# Altium PCB MC3.PcbDoc (part 2 of 4) (continued)
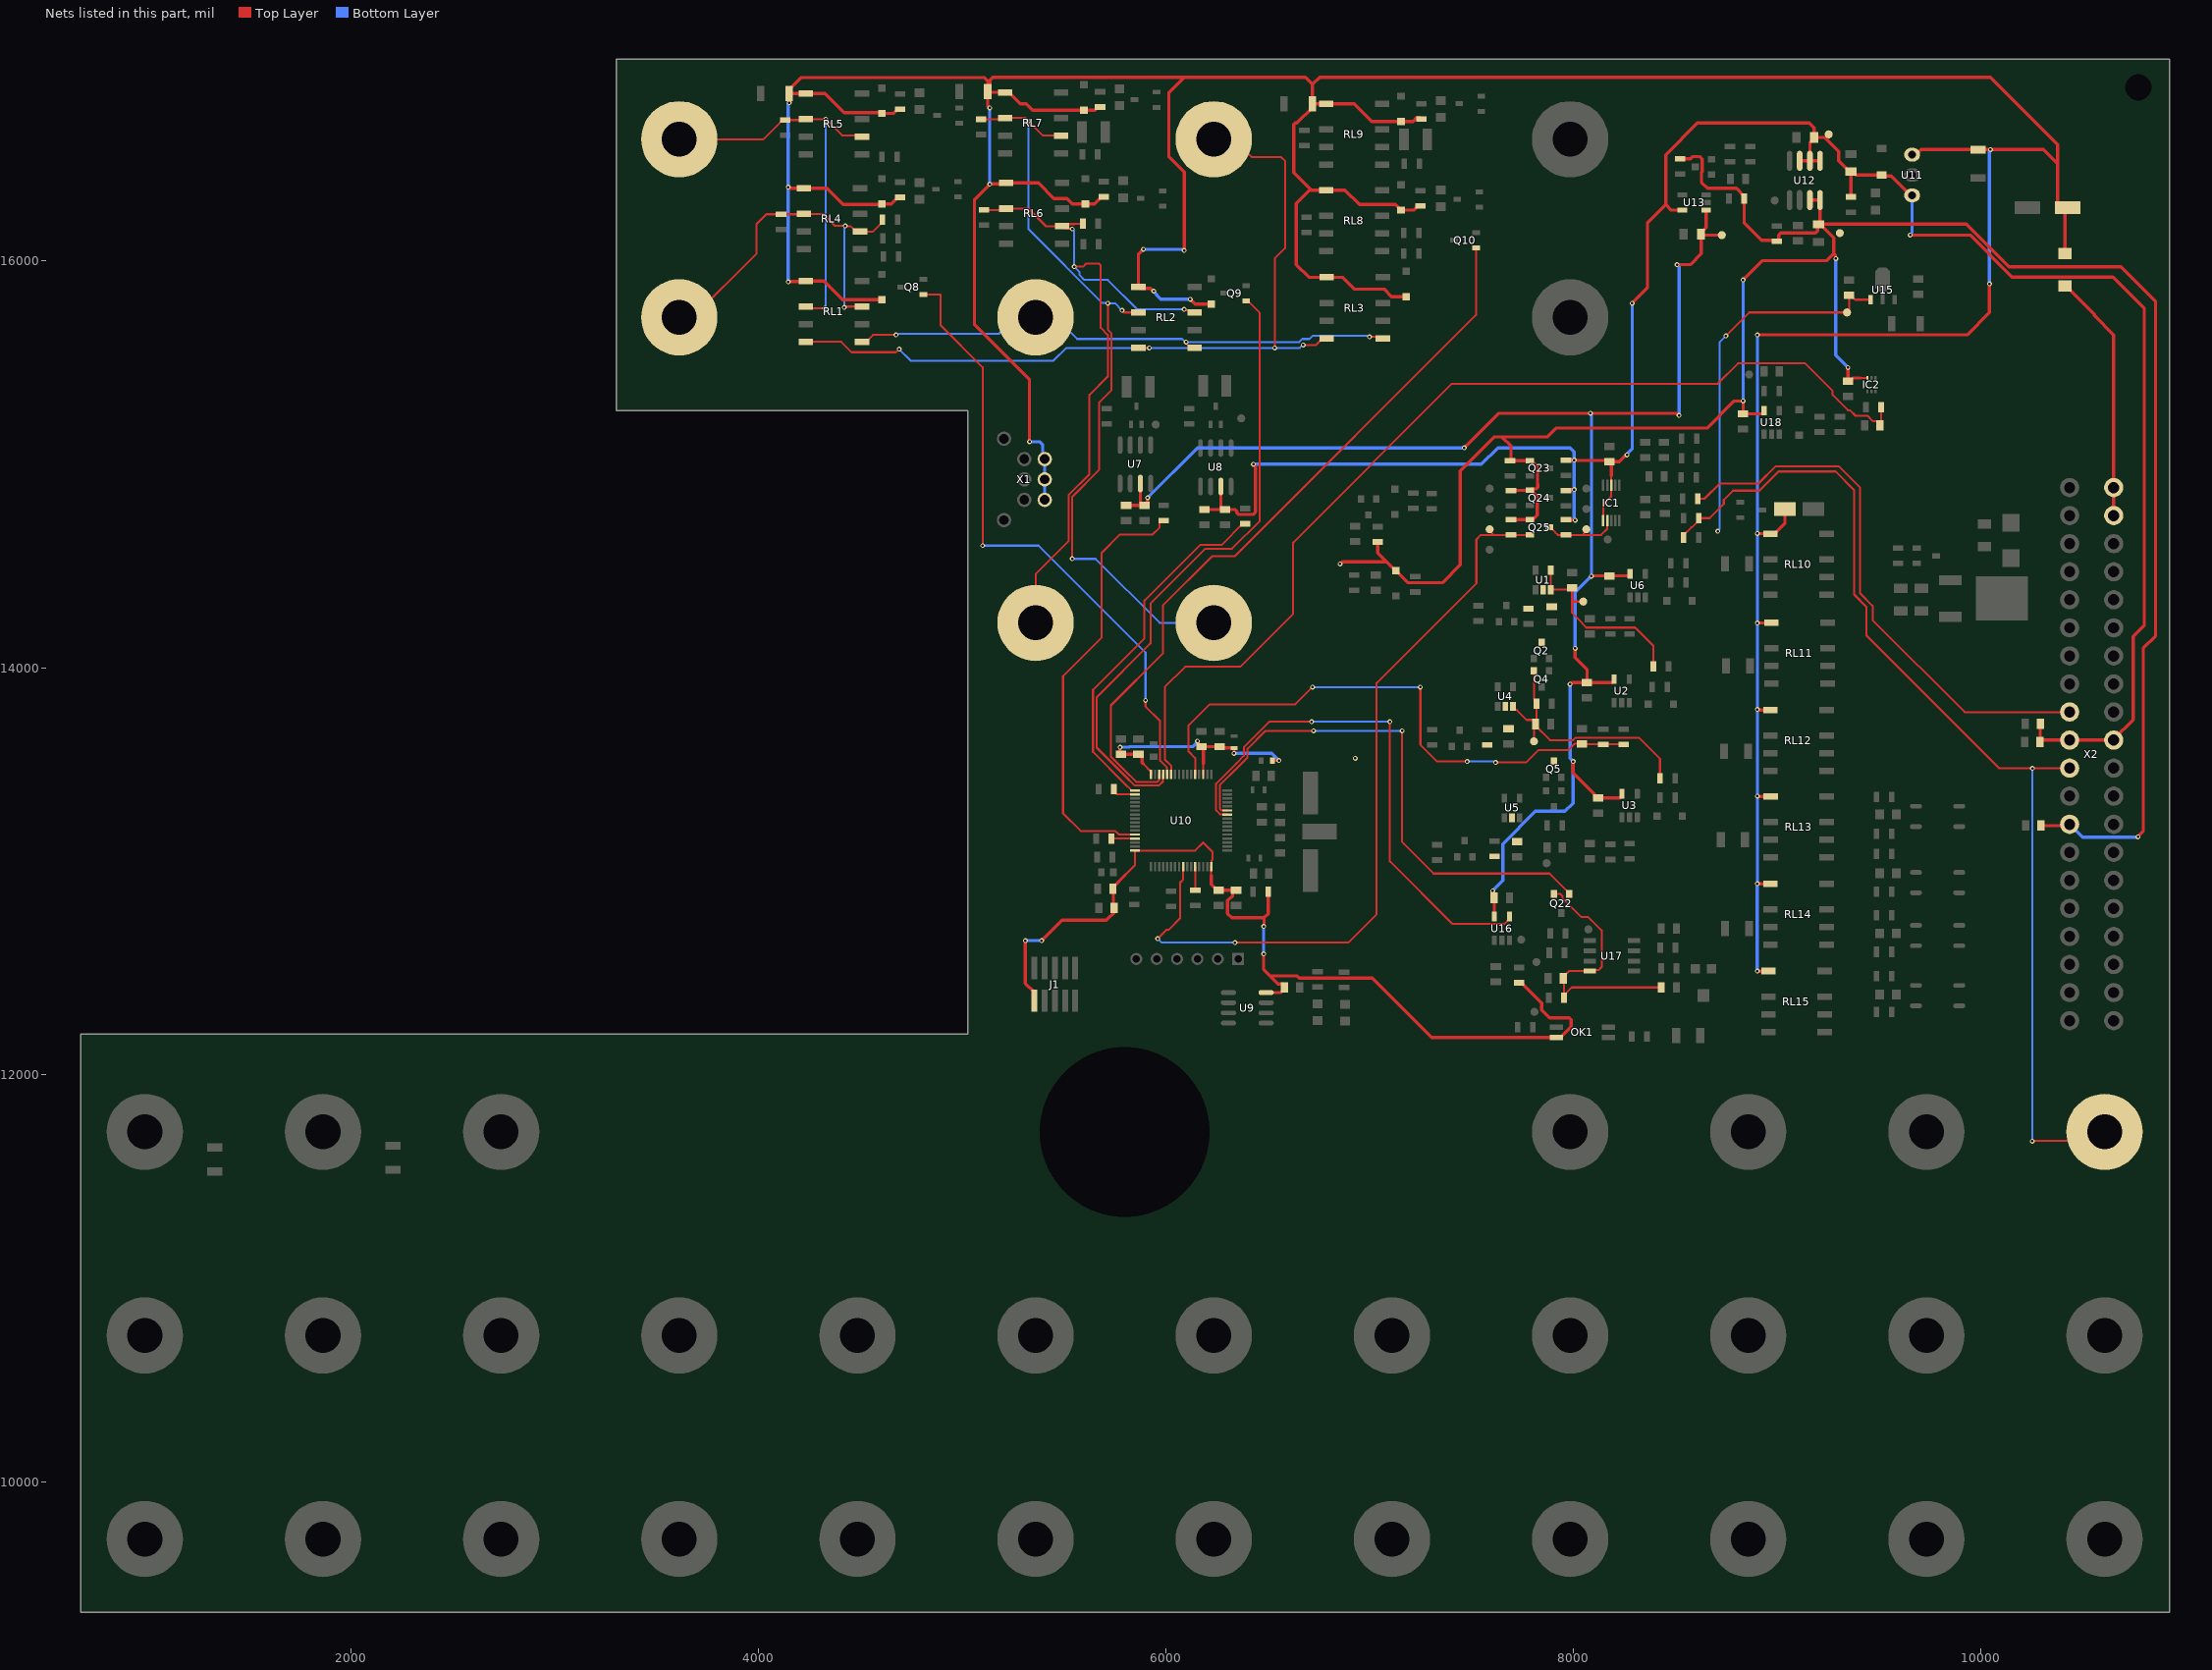
[diagram p2: the nets of this part, all layers, seen from the top]
## Part data (continued)
R6 R11 R22: library part CRCW08053K24FKEA, "VISHAY DRALORIC 	   	CRCW08053K24FKEA 	   	RES, THICK FILM, 3K24, 1%, 125MW, 0805", Case Code (Imperial)=0805, Case Code (Metric)=2012, Manufacturer=Vishay, Max Operating Temperature=155°C, Max Power Dissipation=125mW, Min Operating Temperature=-55°C, Package Quantity=10, Resistance=3.24kR, Supplier Part Number 1=71-CRCW0805-3.24K-E3, Temperature Coefficient=100ppm/°C, Tolerance=1%, Voltage Rating=150V, Case/Package=0805, Category="Chip SMD Resistors", ComponentLink1Description=https://datasheet.ciiva.com/9080/dcrcwe3-9080725.pdf?src-supplier=Avnet, ComponentLink1URL=https://datasheet.ciiva.com/9080/dcrcwe3-9080725.pdf?src-supplier=Avnet, ComponentLink2Description=https://datasheet.ciiva.com/16783/70201119-16783896.pdf?src-supplier=Allied+Electronics, ComponentLink2URL=https://datasheet.ciiva.com/16783/70201119-16783896.pdf?src-supplier=Allied+Electronics, ComponentLink3Description=https://datasheet.ciiva.com/2496/dcrcwe3-2496042.pdf?src-supplier=Digi-Key, ComponentLink3URL=https://datasheet.ciiva.com/2496/dcrcwe3-2496042.pdf?src-supplier=Digi-Key, ComponentLink4Description=https://datasheet.ciiva.com/7670/1533075-7670379.pdf?src-supplier=Element14, ComponentLink4URL=https://datasheet.ciiva.com/7670/1533075-7670379.pdf?src-supplier=Element14, ComponentLink5Description=https://datasheet.ciiva.com/7670/1697337-7670300.pdf?src-supplier=Element14, ComponentLink5URL=https://datasheet.ciiva.com/7670/1697337-7670300.pdf?src-supplier=Element14, ComponentLink6Description=https://datasheet.ciiva.com/2496/dcrcwe3-2496040.pdf?src-supplier=Digi-Key, ComponentLink6URL=https://datasheet.ciiva.com/2496/dcrcwe3-2496040.pdf?src-supplier=Digi-Key, ComponentLink7Description=https://datasheet.ciiva.com/2496/dcrcwe3-2496041.pdf?src-supplier=Digi-Key, ComponentLink7URL=https://datasheet.ciiva.com/2496/dcrcwe3-2496041.pdf?src-supplier=Digi-Key, Composition="Thick Film", Contact Plating=Tin, Depth=1.25mm, Features="Automotive AEC-Q200", Height=0.02inch, Lead Free="Lead Free", Length=2mm, Manufacturer Part Number=CRCW08053K24FKEA, Military Standard=Not, Number of Pins=2, Number of Terminations=2, Packaging="Tape and Reel", Power Rating=125mW, Pricing 1="1=0.10000, 10=0.06200, 100=0.02500, 1000=0.01000, 5000=0.00700, 10000=0.00600 (USD)", Radiation Hardening=No, REACH SVHC=Unknown, RoHS=Yes, Stock 1=18434, Supplier 1=Mouser, Termination=Solder, Voltage Rating (DC)=150V, Weight=0.000194oz, Width=1.25mm
R7 R64 R66 R68 R70: library part ERJ6ENF6800V, "680 ohm, 125 mW,  1%, 150 V,PANASONIC ELECTRONIC COMPONENTS         ERJ6ENF6800V            Surface Mount Chip Resistor, Thick Film, AEC-Q200 ERJ6E Series,", Case Code (Imperial)=0805, Case Code (Metric)=2012, Manufacturer=Panasonic, Max Operating Temperature=155°C, Max Power Dissipation=125mW, Min Operating Temperature=-55°C, Package Quantity=1, Resistance=680R, Supplier Part Number 1=667-ERJ-6ENF6800V, Temperature Coefficient=100ppm/°C, Tolerance=1%, Voltage Rating=150V, Case/Package=0805, Category="Chip SMD Resistors", ComponentLink1Description=https://datasheet.ciiva.com/11821/0900766b80f80784-11821688.pdf?src-supplier=RSComponents, ComponentLink1URL=https://datasheet.ciiva.com/11821/0900766b80f80784-11821688.pdf?src-supplier=RSComponents, ComponentLink2Description=https://datasheet.ciiva.com/16787/70260748-16787589.pdf?src-supplier=Allied+Electronics, ComponentLink2URL=https://datasheet.ciiva.com/16787/70260748-16787589.pdf?src-supplier=Allied+Electronics, ComponentLink3Description=https://datasheet.ciiva.com/9180/aoa0000ce2-9180429.pdf?src-supplier=Avnet, ComponentLink3URL=https://datasheet.ciiva.com/9180/aoa0000ce2-9180429.pdf?src-supplier=Avnet, ComponentLink4Description=https://datasheet.ciiva.com/7944/426256-7944661.pdf?src-supplier=Element14, ComponentLink4URL=https://datasheet.ciiva.com/7944/426256-7944661.pdf?src-supplier=Element14, ComponentLink5Description=https://datasheet.ciiva.com/16512/aoa0000ce2-16512058.pdf?src-supplier=Avnet+Asia, ComponentLink5URL=https://datasheet.ciiva.com/16512/aoa0000ce2-16512058.pdf?src-supplier=Avnet+Asia, ComponentLink6Description=https://datasheet.ciiva.com/16757/70260748-16757933.pdf?src-supplier=Allied+Electronics, ComponentLink6URL=https://datasheet.ciiva.com/16757/70260748-16757933.pdf?src-supplier=Allied+Electronics, ComponentLink7Description=https://datasheet.ciiva.com/30107/aoa0000ce2-30107005.pdf?src-supplier=Onlinecomponents.com, ComponentLink7URL=https://datasheet.ciiva.com/30107/aoa0000ce2-30107005.pdf?src-supplier=Onlinecomponents.com, ComponentLink8Description=https://datasheet.ciiva.com/46373/1678782-46373887.pdf?src-supplier=Element14, ComponentLink8URL=https://datasheet.ciiva.com/46373/1678782-46373887.pdf?src-supplier=Element14, ComponentLink9Description=https://datasheet.ciiva.com/17205/aoa0000ce2-17205287.pdf?src-supplier=Avnet+Europe, ComponentLink9URL=https://datasheet.ciiva.com/17205/aoa0000ce2-17205287.pdf?src-supplier=Avnet+Europe, ComponentLink10Description=https://datasheet.ciiva.com/7944/426256-7944953.pdf?src-supplier=Element14, ComponentLink10URL=https://datasheet.ciiva.com/7944/426256-7944953.pdf?src-supplier=Element14, ComponentLink11Description=https://datasheet.ciiva.com/5860/426256-5860698.pdf?src-supplier=Farnell, ComponentLink11URL=https://datasheet.ciiva.com/5860/426256-5860698.pdf?src-supplier=Farnell, ComponentLink12Description=https://datasheet.ciiva.com/46373/1678782-46373886.pdf?src-supplier=Element14, ComponentLink12URL=https://datasheet.ciiva.com/46373/1678782-46373886.pdf?src-supplier=Element14, Composition="Thick Film", Contact Plating=Tin, Depth=1.25mm, Features="Automotive AEC-Q200", Height=0.6mm, Length=2mm, Manufacturer Part Number=ERJ6ENF6800V, Military Standard=Not, Mount="Surface Mount", Number of Pins=2, Number of Terminations=2, Packaging="Tape and Reel", Power Rating=125mW, Pricing 1="1=0.11000, 10=0.07200, 100=0.02800, 1000=0.01900, 5000=0.01700, 10000=0.01500 (USD)", Radiation Hardening=No, REACH SVHC="No SVHC", RoHS=Yes, Stock 1=59996, Supplier 1=Mouser, Termination=SMD/SMT, Width=0.049inch
R13 R18: library part ERJ-6ENF39R0V, "Res 39 Ohms;  Pwr-Rtg0.125 W;  Tol 1%;  SMT;  0805;  Tape & Reel", Case Code (Imperial)=0805, Case Code (Metric)=2012, Manufacturer=Panasonic, Max Operating Temperature=155°C, Max Power Dissipation=125mW, Min Operating Temperature=-55°C, Package Quantity=1, Resistance=39R, Supplier Part Number 1=667-ERJ-6ENF39R0V, Temperature Coefficient=100ppm/°C, Tolerance=1%, Voltage Rating=150V, Case/Package=0805, Category="Chip SMD Resistors", ComponentLink1Description=https://datasheet.ciiva.com/24038/aoa0000ce2-24038777.pdf?src-supplier=Mouser, ComponentLink1URL=https://datasheet.ciiva.com/24038/aoa0000ce2-24038777.pdf?src-supplier=Mouser, ComponentLink2Description=https://datasheet.ciiva.com/7836/426256-7836826.pdf?src-supplier=Element14, ComponentLink2URL=https://datasheet.ciiva.com/7836/426256-7836826.pdf?src-supplier=Element14, ComponentLink3Description=https://datasheet.ciiva.com/9190/aoa0000ce2-9190012.pdf?src-supplier=Avnet, ComponentLink3URL=https://datasheet.ciiva.com/9190/aoa0000ce2-9190012.pdf?src-supplier=Avnet, ComponentLink4Description=https://datasheet.ciiva.com/22682/1678782-22682204.pdf?src-supplier=Element14, ComponentLink4URL=https://datasheet.ciiva.com/22682/1678782-22682204.pdf?src-supplier=Element14, ComponentLink5Description=https://datasheet.ciiva.com/7836/426256-7836541.pdf?src-supplier=Element14, ComponentLink5URL=https://datasheet.ciiva.com/7836/426256-7836541.pdf?src-supplier=Element14, ComponentLink6Description=https://datasheet.ciiva.com/16511/aoa0000ce2-16511949.pdf?src-supplier=Avnet+Asia, ComponentLink6URL=https://datasheet.ciiva.com/16511/aoa0000ce2-16511949.pdf?src-supplier=Avnet+Asia, ComponentLink7Description=https://datasheet.ciiva.com/16761/70260748-16761757.pdf?src-supplier=Allied+Electronics, ComponentLink7URL=https://datasheet.ciiva.com/16761/70260748-16761757.pdf?src-supplier=Allied+Electronics, ComponentLink8Description=https://datasheet.ciiva.com/5915/426256-5915343.pdf?src-supplier=Farnell, ComponentLink8URL=https://datasheet.ciiva.com/5915/426256-5915343.pdf?src-supplier=Farnell, ComponentLink9Description=https://datasheet.ciiva.com/16777/70260748-16777327.pdf?src-supplier=Allied+Electronics, ComponentLink9URL=https://datasheet.ciiva.com/16777/70260748-16777327.pdf?src-supplier=Allied+Electronics, ComponentLink10Description=https://datasheet.ciiva.com/22687/1678782-22687439.pdf?src-supplier=Element14, ComponentLink10URL=https://datasheet.ciiva.com/22687/1678782-22687439.pdf?src-supplier=Element14, ComponentLink11Description=https://datasheet.ciiva.com/30064/aoa0000ce2-30064223.pdf?src-supplier=Onlinecomponents.com, ComponentLink11URL=https://datasheet.ciiva.com/30064/aoa0000ce2-30064223.pdf?src-supplier=Onlinecomponents.com, Composition="Thick Film", Contact Plating=Tin, Depth=1.25mm, Features="Automotive AEC-Q200", Height=0.6mm, Length=2mm, Manufacturer Part Number=ERJ-6ENF39R0V, Military Standard=Not, Mount="Surface Mount", Number of Pins=2, Number of Terminations=2, Packaging="Tape and Reel", Power Rating=125mW, Pricing 1="1=0.11000, 10=0.08900, 100=0.03500, 1000=0.02200, 5000=0.02200, 10000=0.02200 (USD)", Radiation Hardening=No, REACH SVHC="No SVHC", RoHS=Yes, Stock 1=48084, Supplier 1=Mouser, Termination=Solder, Voltage Rating (DC)=150V, Width=0.049inch
R15 R82 R91 R104 R105 R106: library part AC0805FR-072K7L, "RES SMD 2.7K OHM 1% 1/8W 0805", Case Code (Imperial)=0805, Case Code (Metric)=2012, Manufacturer=Yageo, Max Operating Temperature=155°C, Max Power Dissipation=125mW, Min Operating Temperature=-55°C, Resistance=2.7kR, Supplier Part Number 1=603-AC0805FR-072K7L, Temperature Coefficient=100ppm/°C, Tolerance=1%, Voltage Rating=150V, Case/Package=0805, Category="Chip SMD Resistors", ComponentLink1Description=https://datasheet.ciiva.com/12656/pyu-ac-51-rohs-l-2-12656732.pdf?src-supplier=Mouser, ComponentLink1URL=https://datasheet.ciiva.com/12656/pyu-ac-51-rohs-l-2-12656732.pdf?src-supplier=Mouser, Composition="Thick Film", Features="Moisture Resistant,Automotive AEC-Q200", Height=0.024inch, Lead Free="Lead Free", Length=0.079inch, Manufacturer Part Number=AC0805FR-072K7L, Number of Terminations=2, Packaging="Tape and Reel", Power Rating=125mW, Pricing 1="1=0.16000, 10=0.03700, 100=0.01300, 1000=0.01000, 5000=0.00600, 10000=0.00600 (USD)", RoHS=Yes, Stock 1=3900, Supplier 1=Mouser, Termination=SMD/SMT, Width=0.049inch
R21 R103: library part ERJ-6ENF1004V, "Res Thick Film 0805 1M Ohm 1% 1/8W 100ppm/C Molded SMD Punched Carrier T/R", Case Code (Imperial)=0805, Case Code (Metric)=2012, Manufacturer=Panasonic, Max Operating Temperature=155°C, Max Power Dissipation=125mW, Min Operating Temperature=-55°C, Package Quantity=1, Resistance=1MR, Supplier Part Number 1=667-ERJ-6ENF1004V, Temperature Coefficient=100ppm/°C, Tolerance=1%, Voltage Rating=150V, Case/Package=0805, Category="Chip SMD Resistors", ComponentLink1Description=https://datasheet.ciiva.com/11821/0900766b80f80784-11821573.pdf?src-supplier=RSComponents, ComponentLink1URL=https://datasheet.ciiva.com/11821/0900766b80f80784-11821573.pdf?src-supplier=RSComponents, ComponentLink2Description=https://datasheet.ciiva.com/16761/70260748-16761141.pdf?src-supplier=Allied+Electronics, ComponentLink2URL=https://datasheet.ciiva.com/16761/70260748-16761141.pdf?src-supplier=Allied+Electronics, ComponentLink3Description=https://datasheet.ciiva.com/22749/426256-22749637.pdf?src-supplier=Element14, ComponentLink3URL=https://datasheet.ciiva.com/22749/426256-22749637.pdf?src-supplier=Element14, ComponentLink4Description=https://datasheet.ciiva.com/30161/aoa0000ce2-30161525.pdf?src-supplier=Onlinecomponents.com, ComponentLink4URL=https://datasheet.ciiva.com/30161/aoa0000ce2-30161525.pdf?src-supplier=Onlinecomponents.com, ComponentLink5Description=https://datasheet.ciiva.com/48532/aoa0000ce2-48532149.pdf?src-supplier=Avnet, ComponentLink5URL=https://datasheet.ciiva.com/48532/aoa0000ce2-48532149.pdf?src-supplier=Avnet, ComponentLink6Description=https://datasheet.ciiva.com/8079/426256-8079622.pdf?src-supplier=Element14, ComponentLink6URL=https://datasheet.ciiva.com/8079/426256-8079622.pdf?src-supplier=Element14, ComponentLink7Description=https://datasheet.ciiva.com/27055/1988997-27055735.pdf?src-supplier=Jameco, ComponentLink7URL=https://datasheet.ciiva.com/27055/1988997-27055735.pdf?src-supplier=Jameco, ComponentLink8Description=https://datasheet.ciiva.com/5868/426256-5868184.pdf?src-supplier=Farnell, ComponentLink8URL=https://datasheet.ciiva.com/5868/426256-5868184.pdf?src-supplier=Farnell, ComponentLink9Description=https://datasheet.ciiva.com/46420/1678782-46420186.pdf?src-supplier=Element14, ComponentLink9URL=https://datasheet.ciiva.com/46420/1678782-46420186.pdf?src-supplier=Element14, ComponentLink10Description=https://datasheet.ciiva.com/16788/70260748-16788299.pdf?src-supplier=Allied+Electronics, ComponentLink10URL=https://datasheet.ciiva.com/16788/70260748-16788299.pdf?src-supplier=Allied+Electronics, ComponentLink11Description=https://datasheet.ciiva.com/7909/426256-7909229.pdf?src-supplier=Element14, ComponentLink11URL=https://datasheet.ciiva.com/7909/426256-7909229.pdf?src-supplier=Element14, ComponentLink12Description=https://datasheet.ciiva.com/15158/getdatasheetpartid-246555-15158845.pdf?src-supplier=Verical, ComponentLink12URL=https://datasheet.ciiva.com/15158/getdatasheetpartid-246555-15158845.pdf?src-supplier=Verical, ComponentLink13Description=https://datasheet.ciiva.com/16449/aoa0000ce2-16449407.pdf?src-supplier=Future+Electronics, ComponentLink13URL=https://datasheet.ciiva.com/16449/aoa0000ce2-16449407.pdf?src-supplier=Future+Electronics, ComponentLink14Description=https://datasheet.ciiva.com/17215/aoa0000ce2-17215247.pdf?src-supplier=Avnet+Europe, ComponentLink14URL=https://datasheet.ciiva.com/17215/aoa0000ce2-17215247.pdf?src-supplier=Avnet+Europe, Composition="Thick Film", Contact Plating=Tin, Depth=1.25mm, Features="Automotive AEC-Q200", Height=0.6mm, Lead Free="Lead Free", Length=2mm, Manufacturer Part Number=ERJ-6ENF1004V, Military Standard=Not, Mount="Surface Mount", Number of Pins=2, Number of Terminations=2, Packaging="Tape and Reel", Power Rating=125mW, Pricing 1="1=0.10000, 10=0.07300, 100=0.02800, 1000=0.01700, 5000=0.01700, 10000=0.01700, 25000=0.01400, 50000=0.01000, 100000=0.00900 (USD)", Radiation Hardening=No, REACH SVHC="No SVHC", RoHS=Yes, Stock 1=196038, Supplier 1=Mouser, Termination=SMD/SMT, Voltage Rating (DC)=150V, Width=1.2mm
R23 R25 R26 R28: library part CRCW0805100RFKEA, "Res Thick Film 0805 100 Ohm 1% 0.125W(1/8W) ±100ppm/C Molded SMD Automotive Paper T/R", Case Code (Imperial)=0805, Case Code (Metric)=2012, Manufacturer="Vishay Dale", Max Operating Temperature=155°C, Max Power Dissipation=125mW, Min Operating Temperature=-55°C, Package Quantity=10, Resistance=100R, Supplier Part Number 1=71-CRCW0805-100-E3, Temperature Coefficient=100ppm/°C, Tolerance=1%, Voltage Rating=150V, Case/Package=0805, Category="Chip SMD Resistors", ComponentLink1Description=https://datasheet.ciiva.com/11809/0900766b80d98b26-11809126.pdf?src-supplier=RSComponents, ComponentLink1URL=https://datasheet.ciiva.com/11809/0900766b80d98b26-11809126.pdf?src-supplier=RSComponents, ComponentLink2Description=https://datasheet.ciiva.com/2495/dcrcwe3-2495842.pdf?src-supplier=Digi-Key, ComponentLink2URL=https://datasheet.ciiva.com/2495/dcrcwe3-2495842.pdf?src-supplier=Digi-Key, ComponentLink3Description=https://datasheet.ciiva.com/2495/dcrcwe3-2495844.pdf?src-supplier=Digi-Key, ComponentLink3URL=https://datasheet.ciiva.com/2495/dcrcwe3-2495844.pdf?src-supplier=Digi-Key, ComponentLink4Description=https://datasheet.ciiva.com/16514/dcrcwe3-16514904.pdf?src-supplier=Avnet+Asia, ComponentLink4URL=https://datasheet.ciiva.com/16514/dcrcwe3-16514904.pdf?src-supplier=Avnet+Asia, ComponentLink5Description=https://datasheet.ciiva.com/8337/dcrcwe3-8337753.pdf?src-supplier=Avnet, ComponentLink5URL=https://datasheet.ciiva.com/8337/dcrcwe3-8337753.pdf?src-supplier=Avnet, ComponentLink6Description=https://datasheet.ciiva.com/16777/70201119-16777129.pdf?src-supplier=Allied+Electronics, ComponentLink6URL=https://datasheet.ciiva.com/16777/70201119-16777129.pdf?src-supplier=Allied+Electronics, ComponentLink7Description=https://datasheet.ciiva.com/3258/dcrcwe3-3258011.pdf?src-supplier=Avnet, ComponentLink7URL=https://datasheet.ciiva.com/3258/dcrcwe3-3258011.pdf?src-supplier=Avnet, ComponentLink8Description=https://datasheet.ciiva.com/16760/70201119-16760940.pdf?src-supplier=Allied+Electronics, ComponentLink8URL=https://datasheet.ciiva.com/16760/70201119-16760940.pdf?src-supplier=Allied+Electronics, ComponentLink9Description=https://datasheet.ciiva.com/2495/dcrcwe3-2495843.pdf?src-supplier=Digi-Key, ComponentLink9URL=https://datasheet.ciiva.com/2495/dcrcwe3-2495843.pdf?src-supplier=Digi-Key, ComponentLink10Description=https://datasheet.ciiva.com/15159/getdatasheetpartid-90825-15159895.pdf?src-supplier=Verical, ComponentLink10URL=https://datasheet.ciiva.com/15159/getdatasheetpartid-90825-15159895.pdf?src-supplier=Verical, ComponentLink11Description=https://datasheet.ciiva.com/5546/dcrcwe3-109170-5546700.pdf?src-supplier=Mouser, ComponentLink11URL=https://datasheet.ciiva.com/5546/dcrcwe3-109170-5546700.pdf?src-supplier=Mouser, Composition="Thick Film", Contact Plating=Tin, Depth=1.25mm, Features="Automotive AEC-Q200", Height=0.45mm, Lead Free="Lead Free", Length=2mm, Manufacturer Part Number=CRCW0805100RFKEA, Military Standard=Not, Mount="Surface Mount", Number of Pins=2, Number of Terminations=2, Packaging="Tape and Reel", Power Rating=125mW, Pricing 1="1=0.10000, 10=0.06200, 100=0.02500, 1000=0.01000, 5000=0.00700, 10000=0.00600 (USD)", Radiation Hardening=No, REACH SVHC=Unknown, RoHS=Yes, Stock 1=296115, Supplier 1=Mouser, Termination=SMD/SMT, Voltage Rating (DC)=150V, Weight=0.000194oz, Width=0.049inch
R29 R32 R33 R36 R79 R80 R83 R93: library part CRCW080522R0JNEA, "Resistor;  Thick Film;  22 Ohms;  0.125 W;  5%;  SMT;  0805;  TCR 73 ppm/DegC;  Cut Tape", Case Code (Imperial)=0805, Case Code (Metric)=2012, Manufacturer="Vishay Dale", Max Operating Temperature=155°C, Max Power Dissipation=125mW, Min Operating Temperature=-55°C, Package Quantity=5000, Resistance=22R, Supplier Part Number 1=71-CRCW080522R0JNEA, Temperature Coefficient=200ppm/°C, Tolerance=5%, Voltage Rating=150V, Case/Package=0805, Category="Chip SMD Resistors", ComponentLink1Description=https://datasheet.ciiva.com/28606/1847332-28606766.pdf?src-supplier=Element14, ComponentLink1URL=https://datasheet.ciiva.com/28606/1847332-28606766.pdf?src-supplier=Element14, ComponentLink2Description=https://datasheet.ciiva.com/22871/70201119-22871903.pdf?src-supplier=Allied+Electronics, ComponentLink2URL=https://datasheet.ciiva.com/22871/70201119-22871903.pdf?src-supplier=Allied+Electronics, ComponentLink3Description=https://datasheet.ciiva.com/2464/dcrcwe3-2464258.pdf?src-supplier=Digi-Key, ComponentLink3URL=https://datasheet.ciiva.com/2464/dcrcwe3-2464258.pdf?src-supplier=Digi-Key, ComponentLink4Description=https://datasheet.ciiva.com/16358/dcrcwe3-16358364.pdf?src-supplier=Future+Electronics, ComponentLink4URL=https://datasheet.ciiva.com/16358/dcrcwe3-16358364.pdf?src-supplier=Future+Electronics, ComponentLink5Description=https://datasheet.ciiva.com/16769/70201119-16769711.pdf?src-supplier=Allied+Electronics, ComponentLink5URL=https://datasheet.ciiva.com/16769/70201119-16769711.pdf?src-supplier=Allied+Electronics, Composition="Thick Film", Contact Plating=Tin, Depth=1.25mm, Features="Automotive AEC-Q200", Height=0.02inch, Lead Free="Lead Free", Length=2mm, Manufacturer Part Number=CRCW080522R0JNEA, Military Standard=Not, Number of Terminations=2, Packaging="Tape and Reel", Power Rating=125mW, Pricing 1="1=0.10000, 10=0.03900, 100=0.01500, 1000=0.00600, 5000=0.00400, 10000=0.00400 (USD)", Radiation Hardening=No, REACH SVHC=Unknown, RoHS=Yes, Stock 1=32788, Supplier 1=Mouser, Termination=Solder, Voltage Rating (DC)=150V, Weight=0.000194oz, Width=1.25mm
R30 R34 R37 R38 R39 R40 R41 R42 R43 R44 R46 R47 R48 R49 R50 R52 R53 R54 R84: library part RK73Z2ATTD, "Res Thick Film 0805 0 Ohm Pad SMD Automotive T/R", Case Code (Imperial)=0805, Case Code (Metric)=2012, Manufacturer="KOA Speer", Max Operating Temperature=155°C, Min Operating Temperature=-55°C, Package Quantity=5000, Power Rating=2W, Resistance=0mR, Supplier Part Number 1=660-RK73Z2ATTD, Temperature Coefficient=400ppm/°C, Tolerance=1%, Case/Package=0805, Category="Chip SMD Resistors", ComponentLink1Description=https://datasheet.ciiva.com/7816/549012-7816885.pdf?src-supplier=Element14, ComponentLink1URL=https://datasheet.ciiva.com/7816/549012-7816885.pdf?src-supplier=Element14, ComponentLink2Description=https://datasheet.ciiva.com/15159/getdatasheetpartid-91633-15159914.pdf?src-supplier=Verical, ComponentLink2URL=https://datasheet.ciiva.com/15159/getdatasheetpartid-91633-15159914.pdf?src-supplier=Verical, ComponentLink3Description=https://datasheet.ciiva.com/48463/rk73z-series-eng-jap-tds-48463436.pdf?src-supplier=Distrelec, ComponentLink3URL=https://datasheet.ciiva.com/48463/rk73z-series-eng-jap-tds-48463436.pdf?src-supplier=Distrelec, Composition="Thick Film", Depth=1.25mm, Height=0.5mm, Lead Free="Lead Free", Length=2mm, Manufacturer Part Number=RK73Z2ATTD, Military Standard=Not, Packaging="Tape and Reel", Pricing 1="1=0.10000, 10=0.09500, 100=0.09500, 1000=0.09500, 5000=0.00500, 10000=0.00400 (USD)", REACH SVHC=Unknown, RoHS=Yes, Stock 1=381276, Supplier 1=Mouser, Termination=SMD/SMT, Width=1.25mm
R31 R35 R45 R51: library part CRCW1210120RFKEA, "Thick Film Resistors - SMD 1/2watt 120ohms 1%", Case Code (Imperial)=1210, Case Code (Metric)=3225, Manufacturer=Vishay, Max Operating Temperature=155°C, Max Power Dissipation=500mW, Min Operating Temperature=-55°C, Package Quantity=1, Resistance=120R, Supplier Part Number 1=71-CRCW1210F-120-E3, Temperature Coefficient=100ppm/°C, Tolerance=1%, Voltage Rating=200V, Case/Package=1210, Category="Chip SMD Resistors", ComponentLink1Description=https://datasheet.ciiva.com/8899/dcrcwe3-8899640.pdf?src-supplier=Avnet, ComponentLink1URL=https://datasheet.ciiva.com/8899/dcrcwe3-8899640.pdf?src-supplier=Avnet, ComponentLink2Description=https://datasheet.ciiva.com/7777/1697337-7777595.pdf?src-supplier=Element14, ComponentLink2URL=https://datasheet.ciiva.com/7777/1697337-7777595.pdf?src-supplier=Element14, ComponentLink3Description=https://datasheet.ciiva.com/8897/dcrcwe3-8897165.pdf?src-supplier=Avnet, ComponentLink3URL=https://datasheet.ciiva.com/8897/dcrcwe3-8897165.pdf?src-supplier=Avnet, ComponentLink4Description=https://datasheet.ciiva.com/5549/dcrcwe3-109170-5549774.pdf?src-supplier=Mouser, ComponentLink4URL=https://datasheet.ciiva.com/5549/dcrcwe3-109170-5549774.pdf?src-supplier=Mouser, Composition="Thick Film", Contact Plating=Tin, Depth=2.5mm, Features="Automotive AEC-Q200", Height=0.024inch, Lead Free="Lead Free", Length=3.2mm, Manufacturer Part Number=CRCW1210120RFKEA, Military Standard=Not, Number of Terminations=2, Packaging="Tape and Reel", Power Rating=500mW, Pricing 1="1=0.25000, 10=0.21500, 100=0.08400, 1000=0.03200, 5000=0.02600, 10000=0.02400 (USD)", Radiation Hardening=No, REACH SVHC=Unknown, RoHS=Yes, Stock 1=16273, Supplier 1=Mouser, Termination=SMD/SMT, Voltage Rating (DC)=200V, Weight=0.000564oz, Width=0.098inch
R55 R56: library part ESR18EZPJ153, "RES SMD 15K OHM 5% 1/2W 1206", Case Code (Imperial)=1206, Case Code (Metric)=3216, Manufacturer=Rohm, Max Operating Temperature=155°C, Max Power Dissipation=500mW, Min Operating Temperature=-55°C, Resistance=6.2kR, Supplier Part Number 1=755-ESR18EZPJ153, Temperature Coefficient=200ppm/°C, Tolerance=5%, Case/Package=1206, Category="Chip SMD Resistors", ComponentLink1Description=https://www.rohm.com/datasheet/ESR01MZPF/esr-e?src-supplier=Digi-Key, ComponentLink1URL=https://www.rohm.com/datasheet/ESR01MZPF/esr-e?src-supplier=Digi-Key, Composition="Thick Film", Features="Automotive AEC-Q200", Manufacturer Part Number=ESR18EZPJ153, Number of Terminations=2, Packaging="Tape and Reel", Pricing 1="1=0.16000, 10=0.14200, 100=0.05000, 1000=0.03400, 5000=0.02600, 10000=0.02200 (USD)", RoHS=Yes, Stock 1=9337, Supplier 1=Mouser
R57 R62 R94 R97: library part ERJ6ENF2202V, "PANASONIC - ERJ6ENF2202V - SMD Chip Resistor, 0805 [2012 Metric], 22 kohm, ERJ6EN Series, 150 V, Thick Film, 125 mW", Case Code (Imperial)=0805, Case Code (Metric)=2012, Manufacturer=Panasonic, Max Operating Temperature=155°C, Max Power Dissipation=125mW, Min Operating Temperature=-55°C, Package Quantity=1, Resistance=22kR, Supplier Part Number 1=667-ERJ-6ENF2202V, Temperature Coefficient=100ppm/°C, Tolerance=1%, Voltage Rating=150V, Case/Package=0805, Category="Chip SMD Resistors", ComponentLink1Description=https://datasheet.ciiva.com/11821/0900766b80f80784-11821559.pdf?src-supplier=RSComponents, ComponentLink1URL=https://datasheet.ciiva.com/11821/0900766b80f80784-11821559.pdf?src-supplier=RSComponents, ComponentLink2Description=https://datasheet.ciiva.com/24070/aoa0000ce2-24070245.pdf?src-supplier=Mouser, ComponentLink2URL=https://datasheet.ciiva.com/24070/aoa0000ce2-24070245.pdf?src-supplier=Mouser, ComponentLink3Description=https://datasheet.ciiva.com/30139/aoa0000ce2-30139797.pdf?src-supplier=Onlinecomponents.com, ComponentLink3URL=https://datasheet.ciiva.com/30139/aoa0000ce2-30139797.pdf?src-supplier=Onlinecomponents.com, ComponentLink4Description=https://datasheet.ciiva.com/7802/426256-7802439.pdf?src-supplier=Element14, ComponentLink4URL=https://datasheet.ciiva.com/7802/426256-7802439.pdf?src-supplier=Element14, ComponentLink5Description=https://datasheet.ciiva.com/22687/1678782-22687079.pdf?src-supplier=Element14, ComponentLink5URL=https://datasheet.ciiva.com/22687/1678782-22687079.pdf?src-supplier=Element14, ComponentLink6Description=https://datasheet.ciiva.com/16787/70260748-16787961.pdf?src-supplier=Allied+Electronics, ComponentLink6URL=https://datasheet.ciiva.com/16787/70260748-16787961.pdf?src-supplier=Allied+Electronics, ComponentLink7Description=https://datasheet.ciiva.com/17210/aoa0000ce2-17210956.pdf?src-supplier=Avnet+Europe, ComponentLink7URL=https://datasheet.ciiva.com/17210/aoa0000ce2-17210956.pdf?src-supplier=Avnet+Europe, ComponentLink8Description=https://datasheet.ciiva.com/22668/1678782-22668332.pdf?src-supplier=Element14, ComponentLink8URL=https://datasheet.ciiva.com/22668/1678782-22668332.pdf?src-supplier=Element14, ComponentLink9Description=https://datasheet.ciiva.com/6138/426256-6138190.pdf?src-supplier=Farnell, ComponentLink9URL=https://datasheet.ciiva.com/6138/426256-6138190.pdf?src-supplier=Farnell, ComponentLink10Description=https://datasheet.ciiva.com/46419/1678782-46419998.pdf?src-supplier=Element14, ComponentLink10URL=https://datasheet.ciiva.com/46419/1678782-46419998.pdf?src-supplier=Element14, Composition="Thick Film", Contact Plating=Tin, Depth=1.25mm, Features="Automotive AEC-Q200", Height=0.6mm, Lead Free="Lead Free", Length=2mm, Manufacturer Part Number=ERJ6ENF2202V, Military Standard=Not, Mount="Surface Mount", Number of Pins=2, Number of Terminations=2, Packaging="Tape and Reel", Power Rating=125mW, Pricing 1="1=0.10000, 10=0.08300, 100=0.03200, 1000=0.01800, 5000=0.01800, 10000=0.01800 (USD)", Radiation Hardening=No, REACH SVHC="No SVHC", RoHS=Yes, Stock 1=57430, Supplier 1=Mouser, Termination=SMD/SMT, Voltage Rating (DC)=150V, Width=1.2mm
R58 R77 R78 R81 R86 R95 R101: library part ERJ-6ENF3300V, "RES SMD 330 OHM 1% 1/8W 0805", Case Code (Imperial)=0805, Case Code (Metric)=2012, Manufacturer=Panasonic, Max Operating Temperature=155°C, Max Power Dissipation=125mW, Min Operating Temperature=-55°C, Package Quantity=1, Resistance=330R, Supplier Part Number 1=667-ERJ-6ENF3300V, Temperature Coefficient=100ppm/°C, Tolerance=1%, Voltage Rating=150V, Case/Package=0805, Category="Chip SMD Resistors", ComponentLink1Description=https://datasheet.ciiva.com/11821/0900766b80f80784-11821635.pdf?src-supplier=RSComponents, ComponentLink1URL=https://datasheet.ciiva.com/11821/0900766b80f80784-11821635.pdf?src-supplier=RSComponents, ComponentLink2Description=https://datasheet.ciiva.com/30131/aoa0000ce2-30131349.pdf?src-supplier=Onlinecomponents.com, ComponentLink2URL=https://datasheet.ciiva.com/30131/aoa0000ce2-30131349.pdf?src-supplier=Onlinecomponents.com, ComponentLink3Description=https://datasheet.ciiva.com/24025/aoa0000ce2-24025991.pdf?src-supplier=Mouser, ComponentLink3URL=https://datasheet.ciiva.com/24025/aoa0000ce2-24025991.pdf?src-supplier=Mouser, ComponentLink4Description=https://datasheet.ciiva.com/17206/aoa0000ce2-17206152.pdf?src-supplier=Avnet+Europe, ComponentLink4URL=https://datasheet.ciiva.com/17206/aoa0000ce2-17206152.pdf?src-supplier=Avnet+Europe, ComponentLink5Description=https://datasheet.ciiva.com/46436/1678782-46436633.pdf?src-supplier=Element14, ComponentLink5URL=https://datasheet.ciiva.com/46436/1678782-46436633.pdf?src-supplier=Element14, ComponentLink6Description=https://datasheet.ciiva.com/46436/1678782-46436634.pdf?src-supplier=Element14, ComponentLink6URL=https://datasheet.ciiva.com/46436/1678782-46436634.pdf?src-supplier=Element14, ComponentLink7Description=https://datasheet.ciiva.com/16760/70260748-16760668.pdf?src-supplier=Allied+Electronics, ComponentLink7URL=https://datasheet.ciiva.com/16760/70260748-16760668.pdf?src-supplier=Allied+Electronics, ComponentLink8Description=https://datasheet.ciiva.com/16780/70260748-16780764.pdf?src-supplier=Allied+Electronics, ComponentLink8URL=https://datasheet.ciiva.com/16780/70260748-16780764.pdf?src-supplier=Allied+Electronics, ComponentLink9Description=https://datasheet.ciiva.com/22684/1678782-22684798.pdf?src-supplier=Element14, ComponentLink9URL=https://datasheet.ciiva.com/22684/1678782-22684798.pdf?src-supplier=Element14, ComponentLink10Description=https://datasheet.ciiva.com/28590/1678782-28590783.pdf?src-supplier=Element14, ComponentLink10URL=https://datasheet.ciiva.com/28590/1678782-28590783.pdf?src-supplier=Element14, Composition="Thick Film", Contact Plating=Tin, Depth=1.25mm, Features="Automotive AEC-Q200", Height=0.6mm, Length=2mm, Manufacturer Part Number=ERJ-6ENF3300V, Military Standard=Not, Mount="Surface Mount", Number of Pins=2, Number of Terminations=2, Packaging="Tape and Reel", Power Rating=125mW, Pricing 1="1=0.10000, 10=0.08900, 100=0.03500, 500=0.03500, 1000=0.01900, 5000=0.01700 (USD)", Radiation Hardening=No, REACH SVHC="No SVHC", RoHS=Yes, Stock 1=121287, Supplier 1=Mouser, Termination=SMD/SMT, Width=1.2mm
R59: library part L4T12FR020FER, "Current Sense Resistors - SMD 0.5W 0.02 OHM 1%", Manufacturer=Ohmite, Supplier Part Number 1=284-L4T12FR020FER, Manufacturer Part Number=L4T12FR020FER, Pricing 1="1=0.170000, 10=0.166000, 25=0.146000, 50=0.133000, 100=0.115000, 250=0.100000, 500=0.083000, 1000=0.068000, 5000=0.064000 (USD)", RoHS=No, Stock 1=4995, Supplier 1=Mouser
R63 R65 R67 R69: library part RC0805FR-071KL, "RESISTOR, 0805 1K 1%, FULL REEL; Product Range:YAGEO - RC Series; Resistance:1kohm; Power Rating:125mW; Resistance Tolerance:± 1%; Resistor Case Style:0805 [2012 Metric]; Resistor Element Material:Thick Film; Temperature Coefficient:± 250ppm/°C; Voltage Rating:150V; Packaging:Tape & Reel; MSL:-; SVHC:No SVHC (16-Dec-2013); External Depth:0.55mm; External Length / Height:2mm; External Width:1.25mm; No. of Pins:2; Operating Temperature Max:155°C; Operating Temperature Min:-55°C; Operating Temperature Range:-55°C to +155°C; Reel Quantity:5000; Resistor Mounting:SMD; Series:RC12H; Temperature Coef", Case Code (Imperial)=0805, Case Code (Metric)=2012, Manufacturer=Yageo, Max Operating Temperature=155°C, Max Power Dissipation=125mW, Min Operating Temperature=-55°C, Package Quantity=1, Resistance=1kR, Supplier Part Number 1=603-RC0805FR-071KL, Temperature Coefficient=100ppm/°C, Tolerance=1%, Voltage Rating=150V, Case/Package=0805, Category="Chip SMD Resistors", ComponentLink1Description=https://datasheet.ciiva.com/2456/pyu-r-int-thick-7-2456976.pdf?src-supplier=Digi-Key, ComponentLink1URL=https://datasheet.ciiva.com/2456/pyu-r-int-thick-7-2456976.pdf?src-supplier=Digi-Key, ComponentLink2Description=https://datasheet.ciiva.com/2456/pyu-r-int-thick-7-2456977.pdf?src-supplier=Digi-Key, ComponentLink2URL=https://datasheet.ciiva.com/2456/pyu-r-int-thick-7-2456977.pdf?src-supplier=Digi-Key, ComponentLink3Description=https://datasheet.ciiva.com/7941/1686128-7941719.pdf?src-supplier=Element14, ComponentLink3URL=https://datasheet.ciiva.com/7941/1686128-7941719.pdf?src-supplier=Element14, ComponentLink4Description=https://datasheet.ciiva.com/16850/rc0805-16850409.pdf?src-supplier=Future+Electronics, ComponentLink4URL=https://datasheet.ciiva.com/16850/rc0805-16850409.pdf?src-supplier=Future+Electronics, ComponentLink5Description=https://datasheet.ciiva.com/46385/444164-46385020.pdf?src-supplier=Element14, ComponentLink5URL=https://datasheet.ciiva.com/46385/444164-46385020.pdf?src-supplier=Element14, ComponentLink6Description=https://datasheet.ciiva.com/2456/pyu-r-int-thick-7-2456975.pdf?src-supplier=Digi-Key, ComponentLink6URL=https://datasheet.ciiva.com/2456/pyu-r-int-thick-7-2456975.pdf?src-supplier=Digi-Key, Composition="Thick Film", Depth=1.25mm, Features="Moisture Resistant", Height=0.024inch, Lead Free="Lead Free", Length=0.079inch, Manufacturer Part Number=RC0805FR-071KL, Military Standard=Not, Number of Pins=2, Number of Terminations=2, Packaging="Tape and Reel", Power Rating=125mW, Pricing 1="1=0.13000, 10=0.03100, 100=0.01100, 1000=0.00800, 5000=0.00500, 10000=0.00500 (USD)", REACH SVHC=Unknown, RoHS=Yes, Stock 1=1519412, Supplier 1=Mouser, Termination=SMD/SMT, Voltage Rating (DC)=150V, Width=0.049inch
R98: library part TC33X-2-202E, "GLOVE, POLYAMIDE, L/FREE, PU, SIZE 6 - More Details", Color=Silver, Manufacturer=Bourns, Max Operating Temperature=100°C, Max Power Dissipation=100mW, Min Operating Temperature=-40°C, Package Quantity=2500, Resistance=2kR, Supplier Part Number 1=652-TC33X-2-202E, Temperature Coefficient=250ppm/°C, Tolerance=25%, Voltage Rating (DC)=50V, Category="Variable Resistors and Potentiometers", ComponentLink1Description=https://datasheet.ciiva.com/11833/0900766b802749b3-11833210.pdf?src-supplier=RSComponents, ComponentLink1URL=https://datasheet.ciiva.com/11833/0900766b802749b3-11833210.pdf?src-supplier=RSComponents, ComponentLink2Description=https://datasheet.ciiva.com/2155/tc33-2155974.pdf?src-supplier=Digi-Key, ComponentLink2URL=https://datasheet.ciiva.com/2155/tc33-2155974.pdf?src-supplier=Digi-Key, ComponentLink3Description=https://datasheet.ciiva.com/2155/tc33-2155975.pdf?src-supplier=Digi-Key, ComponentLink3URL=https://datasheet.ciiva.com/2155/tc33-2155975.pdf?src-supplier=Digi-Key, ComponentLink4Description=https://datasheet.ciiva.com/22708/1818686-22708487.pdf?src-supplier=Element14, ComponentLink4URL=https://datasheet.ciiva.com/22708/1818686-22708487.pdf?src-supplier=Element14, ComponentLink5Description=https://datasheet.ciiva.com/2155/tc33-2155976.pdf?src-supplier=Digi-Key, ComponentLink5URL=https://datasheet.ciiva.com/2155/tc33-2155976.pdf?src-supplier=Digi-Key, ComponentLink6Description=https://datasheet.ciiva.com/17563/tc33-17563422.pdf?src-supplier=Avnet+Europe, ComponentLink6URL=https://datasheet.ciiva.com/17563/tc33-17563422.pdf?src-supplier=Avnet+Europe, ComponentLink7Description=https://datasheet.ciiva.com/7953/1818686-7953183.pdf?src-supplier=Element14, ComponentLink7URL=https://datasheet.ciiva.com/7953/1818686-7953183.pdf?src-supplier=Element14, Composition=Carbon,Potentiometer,Cermet, Depth=3.8mm, Height=0.047inch, Lead Free="Lead Free", Length=3mm, Manufacturer Part Number=TC33X-2-202E, Military Standard=Not, Mount="Surface Mount", Number of Turns=1, Packaging="Tape and Reel", Power Rating=100mW, Pricing 1="1=0.29000, 10=0.28600, 100=0.24000, 500=0.20500, 1000=0.18600, 2500=0.15500 (USD)", Radiation Hardening=No, REACH SVHC="No SVHC", RoHS=Yes, Stock 1=7933, Supplier 1=Mouser, Termination="Foot Print", Weight=29.4mg, Width=0.118inch
RL1 RL2 RL3 RL4 RL5 RL6 RL7 RL8 RL9 RL10 RL11 RL12 RL13 RL14 RL15: "Electromechanical Relay DPDT 1A 24VDC 5.22KOhm Surface Mount", Coil Current=4.6mA, Coil Power=100mW, Coil Resistance=5.22kR, Coil Voltage (DC)=24V, Contact Current Rating=1A, Manufacturer=Omron, Manufacturer Part Number=G6K-2F-YDC24, Max Operating Temperature=70°C, Max Voltage Rating (AC)=125V, Max Voltage Rating (DC)=60V, Min Operating Temperature=-40°C, Package Quantity=50, Supplier Part Number 1=653-G6K-2F-Y-DC24, Category="Signal Relays", Coil Type=Non-Latching, ComponentLink1Description=https://datasheet.ciiva.com/30066/81en-g6k-30066045.pdf?src-supplier=Onlinecomponents.com, ComponentLink1URL=https://datasheet.ciiva.com/30066/81en-g6k-30066045.pdf?src-supplier=Onlinecomponents.com, Contact Material=Gold,Silver, Depth=7.8mm, Lead Free="Lead Free", Length=10mm, Max Current Rating=1A, Mount="Surface Mount", Number of Pins=8, Operate Time=3ms, Packaging=Rail/Tube, Power Consumption=100mW, Radiation Hardening=No, Relay Type=Telecom, Release Time=3ms, RoHS=Yes, Supplier 1=Mouser, Termination="Gull Wing", Throw Configuration=DPDT, Voltage Rating (AC)=125V, Voltage Rating (DC)=60V, Weight=0.024692oz